# Altium PCB HBS V2.0.PcbDoc (part 2 of 3) (continued)
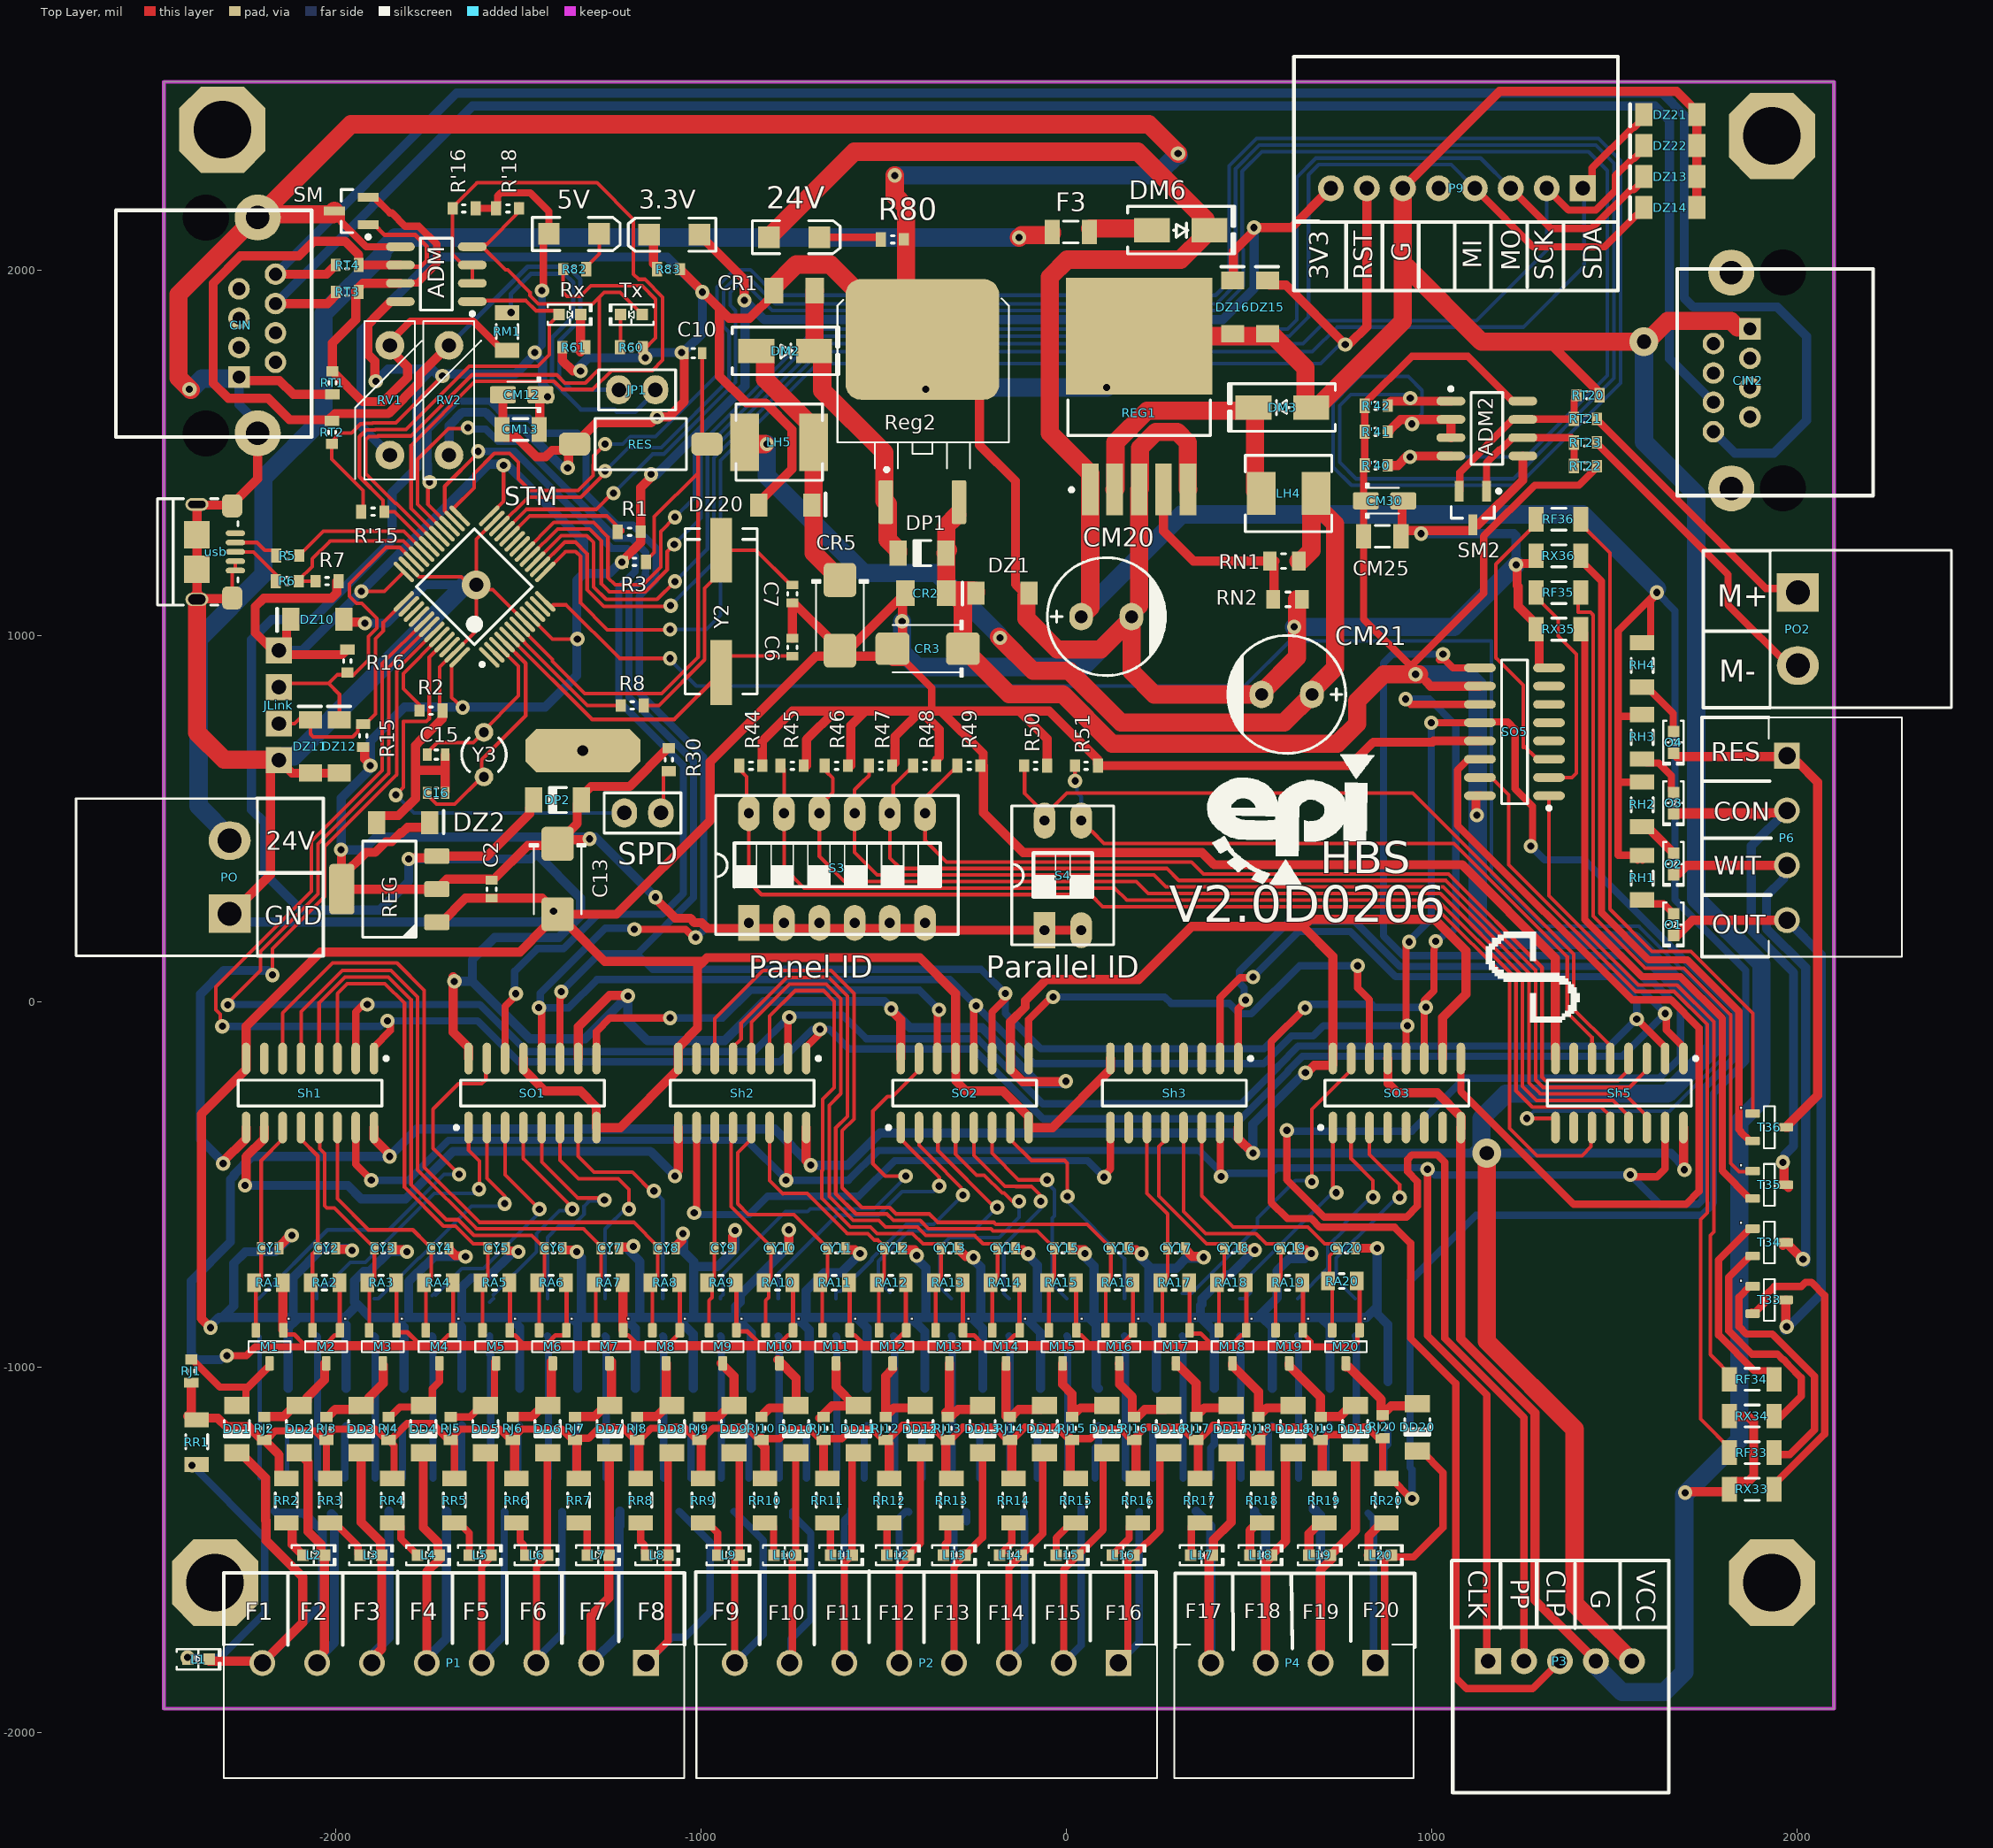
[diagram p0: Top Layer view]
## Nets (pads, with @x,y where several pads share a name; then routed paths per layer and width w, separated by ;. In a path a pad name is that pad's centre, name@x,y a point inside that pad or via, vN(x,y) a via of type N, cw(c..) or ccw(c..) an arc to the next point about the centre after c; other vN are vias at no path point) (continued)
  Top Layer w50: v1@-2396.83,1673.17 -2430,1706.34 -2430,1934.42 -2219.42,2145 CIN.9@-2213.27,2145 CIN.9@-2204.41,2153.86 ; usb.S@-2379.5,1100.16 -2379.5,735.98 -2305,661.48 JLink.1@-2156.31,661.48 ; CIN.1@-2268.98,1713.31 CIN.1@-2264.45,1708.78 ; JLink.1@-2155,660.17 JLink.1@-2153.69,661.48 ; SM.3@-2003.46,2162.72 -2003.46,2157.4 -2007.01,2153.86 CIN.9@-2204.41,2153.86 ; CR1.2@-801.1,1945 -801.1,1954.84 -739.7,2016.24 -646.49,2016.24 -441.62,1811.37 Reg2.4@-394.47,1811.37 -439.09,1855.99 -439.09,2174.09 -470,2205 v1(-470,2260) ; DZ1.1@-110,1110 -110,1047.87 -25,962.87 92.79,962.87 CM20.2@177.8,1047.88 ; CM20.2@177.8,1052.88 CM20.2@177.8,1047.88 ; CM20.2@198.55,1082.69 REG1.3@198.55,1401.06 200.91,1403.42 200.91,1514.97 244.61,1558.66 302.46,1558.66 331.75,1529.37 331.75,1401.72 REG1.5@332.41,1401.06 ; REG1.6@198.55,1820.35 566.61,1820.35 653.5,1733.46 653.5,1633.46 661.97,1625 DM3.1@669.05,1625 684.79,1625 920,1860.21 P9.6@920,2215 ; v1(305,2320) 225,2400 -1958.27,2400 CIN.9@-2204.41,2153.86 ; RN2.2@630.3,1100.16 630.3,941.71 533.58,845 CM21.2@533.58,840 240,840 177.8,902.2 CM20.2@177.8,1047.88 ; P9.6@920,2225 P9.6@920,2215 ; 930,2010 1135,1805 1318.21,1805 1566.72,1805 1570,1801.72 v2@1570,1800 ; P9.6@930,2225 P9.6@920,2215 ; v2@1585,1805 1587.78,1805 1645.02,1862.24 1818.09,1862.24 1835.81,1844.53 1865.47,1844.53 CIN2.1@1870,1840 CIN2.1@1865.47,1835.47
  Bottom Layer w25: v1@-2345,-889.85 -2319.38,-864.23 -2310,-864.23 ; PO.1@-2290,240 -2267.13,217.13 -1434.79,217.13 v1@-1401.92,250 ; CIN.1@-2264.45,1704.25 -2264.45,1632.96 -2213.27,1581.78 CIN.9@-2213.27,1554.45 ; RX1.2@-2129.77,-1058.9 -2129.77,-892.9 -2108.46,-871.59 ; v1@-2125,-645 -2125,-645.21 -2164.79,-685 -2247.4,-685 -2278.7,-716.3 -2278.7,-832.93 -2310,-864.23 ; RX2.2@-1971.4,-1058.9 -1971.4,-885.37 -1992.53,-864.23 ; v1@-1955,-675 -2036.32,-675 -2115.82,-754.5 -2115.82,-864.23 ; v1(-1920,1035) -1860.4,1035 -1755.4,1140 -1645,1140 v2(-1615,1140) ; RV1.1@-1861.66,1495 -1861.66,1505.16 -1930.11,1573.61 -1930.11,1833.96 -1727.32,2036.75 -1092.46,2036.75 v1(-996.4,1940.69) -996.4,1828.6 -1045,1780 v1@-1055,1780 ; RX3.2@-1813.03,-1058.9 -1813.03,-891.21 -1840,-864.23 ; v1(-1805,-685) -1853.84,-685 -1907.83,-738.99 -1923.18,-738.99 -1948.03,-763.84 -1948.03,-822.06 -1940.09,-830 ; RV2.1@-1689.71,1495.02 -1689.71,1575.04 -1652.49,1612.26 -1590.5,1612.26 -1543.4,1565.16 -1483.69,1565.16 -1378.54,1460 v1(-1365,1460) ; RX4.2@-1654.65,-1058.9 -1654.65,-891.12 -1681.55,-864.23 ; v1(-1644.44,-698.34) -1730.89,-698.34 -1775.27,-742.72 -1776.96,-742.72 -1800,-765.76 -1800,-864.23 ; v1(-1500.17,-685) -1514.12,-685 -1585.39,-756.27 -1629.11,-756.27 -1655,-782.16 -1655,-864.23 ; RX5.2@-1496.28,-1058.9 -1496.28,-891.56 -1523.62,-864.23 ; v1(-1340,-685) -1340,-688.89 -1327.65,-701.24 -1327.65,-864.23 ; RX6.2@-1337.91,-1058.9 -1337.91,-881.32 -1355,-864.23 ; v1@-1335,1735 -1309.11,1760.89 v1(-1152.32,1760.89) ; -1204.23,-675 -1167.87,-711.36 -1167.87,-864.23 ; RX7.2@-1179.54,-1058.9 -1179.54,-894.69 -1210,-864.23 ; v1@-1145,1765 -1134.39,1775.61 v1(-1053.17,1775.61) ; v1@-1132.87,1587.13 v1(-1120.5,1599.5) ; v1(-1050,-635) -1047.25,-637.75 -1047.25,-685.16 -1020,-712.41 -1020,-725 ; RX8.2@-1021.17,-1058.9 -1021.17,-910.34 -1067.28,-864.23 ; v1@-906.81,-631.81 -906.81,-676.53 -955.28,-725 -1020,-725 ; RX9.2@-862.8,-1058.9 -862.8,-906.43 -905,-864.23 ; v1(-760,-625) -760,-670 -892.94,-802.94 -892.94,-822.42 -905,-834.48 -905,-864.23 ; RX10.2@-704.43,-1058.9 -704.43,-898.68 -738.88,-864.23 ; v1(-565,-690) -617.14,-742.14 -663.11,-742.14 -712.5,-791.54 -712.5,-864.23 ; RX11.2@-546.06,-1058.9 -546.06,-893.17 -575,-864.23 ; v1@-414.47,-699.47 -385,-728.94 -385,-864.23 ; RX12.2@-387.69,-1058.9 -387.69,-903.36 -426.81,-864.23 ; v1(-255,-700) -255,-706.61 -234.69,-726.92 -234.69,-864.23 ; RX13.2@-229.32,-1058.9 -229.32,-894.91 -260,-864.23 ; v1@-108.07,-693.07 -79.69,-721.46 -79.69,-864.23 ; RX14.2@-70.95,-1058.9 -70.95,-906.29 -113,-864.23 ; v1(50,-690) 50,-698.9 75.31,-724.21 75.31,-864.23 ; 67.65,-871.89 81.22,-885.45 81.22,-1052.7 RX15.2@87.42,-1058.9 ; v1(205,-690) 205,-704.13 225,-724.13 225,-730 ; RX16.2@245.79,-1058.9 245.79,-885.02 225,-864.23 ; v1(375,-700) 372.25,-702.75 327.25,-702.75 300,-730 225,-730 ; RX17.2@404.16,-1058.9 404.16,-902.07 366.33,-864.23 ; v1(515,-680) 446.59,-748.41 435.95,-748.41 370.29,-814.07 370.29,-827.99 366.33,-831.95 366.33,-864.23 ; RX18.2@562.53,-1058.9 562.53,-891.77 535,-864.23 ; v1@665,-690 665,-691.11 663.36,-692.75 662.25,-692.75 650.87,-704.13 609.13,-704.13 576.55,-736.71 576.55,-810.78 523.1,-864.23 ; RX19.2@720.9,-1058.9 720.9,-890.14 695,-864.23 ; v1(850,-675) 850,-835 ; RX20.2@879.27,-1040 879.27,-883.51 850,-854.23 850,-835 ; v1(970,1280) 1224.28,1280 1230,1274.28 v1(1230,1195) ; -2310,-864.23 -2115.82,-864.23 ; -2115.82,-864.23 -1992.53,-864.23 ; -1992.53,-864.23 -1974.33,-864.23 -1940.09,-830 ; -1940.09,-830 -1905.86,-864.23 -1840,-864.23 ; -1840,-864.23 -1800,-864.23 ; -1800,-864.23 -1681.55,-864.23 ; -1681.55,-864.23 -1655,-864.23 ; -1655,-864.23 -1523.62,-864.23 ; -1523.62,-864.23 -1355,-864.23 ; -1355,-864.23 -1327.65,-864.23 ; -1327.65,-864.23 -1210,-864.23 ; -1210,-864.23 -1167.87,-864.23 ; -1167.87,-864.23 -1067.28,-864.23 ; -1067.28,-864.23 -1020,-864.23 ; -1020,-864.23 -905,-864.23 ; -1020,-864.23 -1020,-725 ; -905,-864.23 -738.88,-864.23 ; -738.88,-864.23 -712.5,-864.23 ; -712.5,-864.23 -575,-864.23 ; -575,-864.23 -426.81,-864.23 ; -426.81,-864.23 -385,-864.23 ; -385,-864.23 -260,-864.23 ; -260,-864.23 -234.69,-864.23 ; -234.69,-864.23 -113,-864.23 ; -113,-864.23 -79.69,-864.23 ; -79.69,-864.23 75.31,-864.23 ; 75.31,-864.23 225,-864.23 ; 225,-864.23 225,-730 ; 225,-864.23 366.33,-864.23 ; 366.33,-864.23 523.1,-864.23 ; 523.1,-864.23 535,-864.23 ; 535,-864.23 695,-864.23 ; 695,-864.23 820.77,-864.23 850,-835
  Bottom Layer w50: v1@-2395,1675 -2365.75,1704.25 CIN.1@-2264.45,1704.25 ; JLink.1@-2155,660.17 -2144.57,670.61 -2114.39,670.61 -1910,875 v2@-1645,1140 ; v1(-470,2260) 245,2260 v1@303.75,2318.75 ; v1(-450,1040) -450,956.46 -408.54,915 44.92,915 177.8,1047.88 CM20.2@177.8,1052.88 ; v1@-380,1675 -375,1680 v1(110,1680) ; 280,2295 v1@303.75,2318.75 ; v1(305,2320) v1@303.75,2318.75 ; v1@307.5,2315 v1@303.75,2318.75 ; v1(622.58,1024.76) 1059.76,1024.76 v1(1230,1195) ; P3.4@1450,-1820 1520,-1890 1635,-1890 1690,-1835 1690,-1350 1840.75,-1199.25 1840.75,-329.25 1901.5,-268.5 1901.5,102.38 1722.95,280.92 1722.95,1388.16 1580,1531.11 v2(1580,1805)
  other v1: 1692.68,-1344.11 -410,-695 -105,-690 670,-690 -1185,-670 -906.66,-626.44 -1403.58,246.66 -2400,1675 -385,1675
LoadPin: Sh1.1 Sh2.1 Sh3.1 Sh5.1 STM.41 | length 7539.6
  Top Layer w10: v1@-2315.62,-64.38 -2315.62,-35.13 -2327.49,-23.26 -2327.49,40 -2065.96,301.53 -2065.96,438 -1872.44,631.51 -1872.44,924.32 STM.41@-1757.8,1038.96
  Top Layer w20: Sh1.1@-1895,-156.02 -1895,-124.53 -1850.43,-79.95 v1@-1850.43,-60 ; Sh2.1@-712.5,-156.02 -712.5,-124.53 v1@-664.25,-76.28 ; Sh3.1@470,-156.02 470,-19.6 v1@491.57,1.97 ; v1(1637.74,-33.08) 1641.45,-36.79 1641.45,-78.23 1687.74,-124.53 Sh5.1@1687.74,-156.02
  Bottom Layer w20: v1(-2310,-68.08) -1878.08,-68.08 -1863.34,-53.34 v1(-1858.1,-53.34) -1611.66,-53.34 -1500,-165 -783.58,-165 -694.86,-76.28 v1(-675,-76.28) -648.98,-76.28 -595.26,-130 -254.68,-130 -63.32,-321.35 475.77,-321.35 606.5,-190.62 606.5,-188.96 645.46,-150 1520.82,-150 v1(1637.74,-33.08) 1508.92,95.75 911.85,95.75 788.59,219 609.56,219 472.78,82.22 472.78,51.1 486.29,37.59 486.29,7.25 v1(490,3.54)
MISO: DZ14.2 P9.4 STM.16 | length 4243.9
  Top Layer w10: STM.16@-1468.28,1217.12 -1392.67,1292.73 -1305.61,1292.73 -1272.87,1260 -1272.87,1142.87 -1251.08,1121.08 -1152.74,1121.08 -1092.68,1181.14 -1092.68,1230.78 v1(-1073.46,1250)
  Top Layer w20: P9.4@1105,2220 P9.4@1116.85,2220 ; P9.4@1130,2240 1130,2211.85 1276.85,2065 1472.22,2065 1557.71,2150.49 1565.59,2150.49 1579.21,2164.12 DZ14.2@1579.21,2171.99
  Bottom Layer w10: v1(-1073.46,1250) -1000.59,1322.87 -1000.59,1502.03 -682.62,1820 609.62,1820 661.97,1872.35 661.97,2261.48 690,2289.51 1052.34,2289.51 1111.85,2230 P9.4@1135,2230
MOSI: DZ13.2 P9.3 STM.17 | length 4228.8
  Top Layer w10: STM.17@-1482.2,1231.04 -1402.64,1310.61 -1294.35,1310.61 -1255,1271.26 -1255,1160 -1235,1140 -1159.1,1140 -1110.56,1188.54 -1110.56,1285.9 v1(-1071.45,1325) ; P9.3@1215,2220 P9.3@1220,2220
  Top Layer w20: P9.3@1220,2220 1220.28,2220 1325.28,2115 1437.69,2115 1544.05,2221.36 1551.77,2221.36 1579.21,2248.8 DZ13.2@1579.21,2256.67
  Bottom Layer w10: v1(-1071.45,1325) -1018.47,1377.99 -1018.47,1509.43 -687.9,1840 604.34,1840 629.82,1865.48 629.82,2254.82 682.38,2307.38 1132.89,2307.38 P9.3@1215.28,2225 1220.28,2220 P9.3@1225,2220
Net3.3V_2: 3.3V.2 R83.2 | length 103.6
  Top Layer w25: 3.3V.2@-1142.36,2098 -1130.43,2086.07 -1130.43,2019.33 -1120.44,2009.35 R83.2@-1120.44,2003.44
Net5V_2: 5V.2 R82.2 | length 111.4
  Top Layer w10: R82.2@-1314.46,2003.44 -1314.46,2009.35 -1278.72,2045.09 5V.2@-1278.72,2100
Net24V_2: 24V.2 R80.2 | length 167.2
  Top Layer w20: 24V.2@-676.69,2091.13 -676.12,2090.56 -510.56,2090.56 R80.2@-510,2090
NetC7_1: C7.1 R8.2 Y2.1 | length 771.4
  Top Layer w10: R8.2@-1156.95,810 -1115,810 -990,935 -990,1130.59 -945,1175.59 Y2.1@-945,1234.65 -850.07,1234.65 -754.92,1139.5 C7.1@-750,1139.5
NetC15_2: C15.2 STM.3 Y3.1 | length 475.3
  Top Layer w10: C15.2@-1745,675 -1745,684.87 -1721.98,707.89 -1623.02,707.89 -1600.8,730.1 -1600.8,735.15 -1500,835.95 -1500,917.07 -1551.79,968.87 STM.3@-1551.79,969.36
NetC16_2: C16.2 STM.4 Y3.2 | length 638.1
  Top Layer w10: C16.2@-1750,570 -1750,566.61 -1723.39,540 -1673.9,540 -1600.8,613.1 -1600.8,661.48 -1480,782.28 -1480,925.4 STM.4@-1537.88,983.28
NetCM21_1: CM21.1 LH4.2 LH5.1 RN1.1 | length 2721.1
  Top Layer w50: LH5.1@-880.76,1530 -875.76,1525 v1@-825,1525 ; v1@-185,998.25 v1(-181.75,995) -91.75,905 6.85,905 148.97,762.87 595.19,762.87 671.38,839.06 CM21.1@671.38,840 671.38,849.06 735,912.68 735,1306.85 669.8,1372.05 669.8,1234.13 640.67,1205 RN1.1@634.96,1205
  Bottom Layer w50: v1(-820,1525) -820,1437.32 -554.64,1171.95 -355.05,1171.95 -185,1001.91 v1@-185,998.25
NetCR1_1: CR1.1 DM2.2 DP1.2 Reg2.1 | length 829.2
  Top Layer w50: DM2.2@-693.6,1777.66 DM2.2@-691.26,1780 ; CR1.1@-688.9,1945 -689.49,1944.41 -689.49,1781.77 DM2.2@-691.26,1780 ; DM2.2@-687.53,1777.66 -686.94,1777.07 DM2.2@-686.94,1775.32 ; DP1.2@-460.62,1226.65 -460.62,1234.72 -489.47,1263.57 -489.47,1361.37 Reg2.1@-494.47,1366.37 -498.17,1370.07 -498.17,1501.37 -668.34,1671.54 -668.34,1771.54 -676.81,1780 DM2.2@-691.26,1780
NetDD1_1: DD1.1 M1.3 RJ1.1 | length 428.1
  Top Layer w20: RJ1.1@-2395,-980 -2392.05,-980 -2317.05,-1055 -2240,-1055 M1.3@-2185,-1000 ; DD1.1@-2274.37,-1109.41 DD1.1@-2270,-1105.04 ; DD1.1@-2270,-1105.04 -2259.13,-1105 -2245.55,-1091.42 -2245.55,-1062.83 -2180.79,-998.07 M1.3@-2180.79,-990.2
NetDD2_1: DD2.1 M2.3 RJ2.1 | length 241.9
  Top Layer w25: RJ2.1@-2195,-1137.01 -2193.72,-1135.73 -2141.52,-1135.73 DD2.1@-2115,-1109.21 ; DD2.1@-2100,-1105.04 -2089.17,-1105.04 -2078.05,-1093.92 -2078.05,-1083.09 -2030,-1035.04 M2.3@-2030,-990
NetDD3_1: DD3.1 M3.3 RJ3.1 | length 243.6
  Top Layer w25: RJ3.1@-2020,-1135 -2001.16,-1116.16 -1941.12,-1116.16 DD3.1@-1930,-1105.04 -1919.17,-1105.04 -1908.05,-1093.92 -1908.05,-1083.09 -1870,-1045.04 M3.3@-1870,-995
NetDD4_1: DD4.1 M4.3 RJ4.1 | length 266.1
  Top Layer w20: RJ4.1@-1855,-1139.96 -1824.45,-1109.41 -1764.37,-1109.41 DD4.1@-1760,-1105.04 ; DD4.1@-1775,-1110 -1754.13,-1110 -1735.55,-1091.42 -1735.55,-1059.64 -1715.79,-1039.88 M4.3@-1715.79,-990.2
NetDD5_1: DD5.1 M5.3 RJ5.1 | length 232.4
  Top Layer w20: RJ5.1@-1685,-1137.01 -1632.8,-1137.01 -1605,-1109.21 DD5.1@-1605,-1105.04 ; DD5.1@-1590,-1105.04 -1579.17,-1105.04 -1565.55,-1091.42 -1565.55,-985.55 M5.3@-1565,-985
NetDD6_1: DD6.1 M6.3 RJ6.1 | length 232.4
  Top Layer w25: RJ6.1@-1515,-1137.01 -1513.72,-1135.73 -1461.52,-1135.73 -1430.79,-1105 DD6.1@-1420,-1105.04 ; DD6.1@-1420,-1105.04 -1410,-1095.04 M6.3@-1410,-985
NetDD7_1: DD7.1 M7.3 RJ7.1 | length 220.4
  Top Layer w25: RJ7.1@-1345,-1137.01 -1343.72,-1135.73 -1291.52,-1135.73 -1260.79,-1105 DD7.1@-1260,-1105 ; DD7.1@-1250,-1105.04 -1245,-1100.04 M7.3@-1245,-985
NetDD8_1: DD8.1 M8.3 RJ8.1 | length 224.7
  Top Layer w25: RJ8.1@-1175,-1137.01 -1173.72,-1135.73 -1121.52,-1135.73 -1095.79,-1110 DD8.1@-1085,-1110 ; M8.3@-1095,-990 -1095,-1093.92 -1083.88,-1105.04 DD8.1@-1080,-1105.04
NetDD9_1: DD9.1 M9.3 RJ9.1 | length 227.8
  Top Layer w25: RJ9.1@-1005,-1137.01 -1003.72,-1135.73 -951.52,-1135.73 -920.79,-1105 DD9.1@-920,-1105 ; M9.3@-945,-990 -910,-1025 DD9.1@-910,-1105.04
NetDD10_1: DD10.1 M10.3 RJ10.1 | length 246.1
  Top Layer w25: RJ10.1@-830,-1130 -811.95,-1111.95 -746.91,-1111.95 DD10.1@-740,-1105.04 -740,-1030 M10.3@-790,-980
NetDD11_1: DD11.1 M11.3 RJ11.1 | length 267.9
  Top Layer w25: RJ11.1@-675,-1140 -641.95,-1106.95 DD11.1@-578.92,-1106.95 ; M11.3@-630.79,-990.2 -630.79,-1055.07 DD11.1@-578.92,-1106.95 ; DD11.1@-570,-1110 -575.87,-1110 DD11.1@-578.92,-1106.95 ; DD11.1@-570,-1105.04 -571.91,-1106.95 DD11.1@-578.92,-1106.95
NetDD12_1: DD12.1 M12.3 RJ12.1 | length 245.7
  Top Layer w25: M12.3@-475,-1005 -495,-1025 -495,-1135 -471.95,-1111.95 -406.91,-1111.95 DD12.1@-400,-1105.04
NetDD13_1: DD13.1 M13.3 RJ13.1 | length 239.6
  Top Layer w25: RJ13.1@-330,-1125 -320.79,-1115.79 M13.3@-320.79,-990.2 ; RJ13.1@-317.5,-1137.5 -296.16,-1116.16 -241.12,-1116.16 DD13.1@-230,-1105.04
NetDD14_1: DD14.1 M14.3 RJ14.1 | length 254.6
  Top Layer w25: M14.3@-165.79,-990.2 -165.79,-1134.21 RJ14.1@-165,-1135 ; RJ14.1@-155,-1140 -131.16,-1116.16 -71.12,-1116.16 DD14.1@-60,-1105.04
NetDD15_1: DD15.1 M15.3 RJ15.1 | length 252.9
  Top Layer w25: M15.3@-10.79,-990.2 -10.79,-1047.95 15,-1073.74 RJ15.1@15,-1125 ; RJ15.1@15,-1135 38.05,-1111.95 103.09,-1111.95 DD15.1@110,-1105.04
NetDD16_1: DD16.1 M16.3 RJ16.1 | length 259.1
  Top Layer w25: M16.3@144.21,-990.2 144.9,-990.89 144.9,-1047.38 180,-1082.49 RJ16.1@180,-1130 ; RJ16.1@190,-1140 213.84,-1116.16 268.88,-1116.16 DD16.1@280,-1105.04
NetDD17_1: DD17.1 M17.3 RJ17.1 | length 275.2
  Top Layer w25: M17.3@300,-990 355,-1045 355,-1135 378.05,-1111.95 443.09,-1111.95 DD17.1@450,-1105.04
NetDD18_1: DD18.1 M18.3 RJ18.1 | length 271.5
  Top Layer w25: M18.3@454.21,-990.2 454.21,-996.69 525,-1067.49 RJ18.1@525,-1125 ; RJ18.1@525,-1135 548.05,-1111.95 613.09,-1111.95 DD18.1@620,-1105.04
NetDD19_1: DD19.1 M19.3 RJ19.1 | length 271.1
  Top Layer w25: M19.3@609.21,-990.2 609.21,-996.69 695,-1082.49 RJ19.1@695,-1130 ; RJ19.1@695,-1137.01 696.28,-1135.73 748.48,-1135.73 775,-1109.21 DD19.1@775,-1105
NetDD20_1: DD20.1 M20.3 RJ20.1 | length 296.6
  Top Layer w25: M20.3@765,-1000 771.84,-1000 860.77,-1088.92 RJ20.1@860.77,-1134.23 ; RJ20.1@860,-1135 RJ20.1@860.77,-1134.23 ; RJ20.1@865,-1137.01 862.05,-1137.01 860.77,-1135.73 RJ20.1@860.77,-1134.23 ; DD20.1@960,-1105.04 958.09,-1106.95 888.05,-1106.95 RJ20.1@860.77,-1134.23
NetDM3_2: DM3.2 LH4.1 REG1.2 | length 783.6
  Top Layer w50: REG1.2@131.62,1401.06 133.98,1403.42 133.98,1529.88 220.63,1616.54 503.1,1616.54 DM3.2@511.57,1625 515.88,1620.68 515.88,1396.05 LH4.1@520.2,1391.73
NetDM6_1: DM6.1 F3.2 | length 146.1
  Top Layer w50: F3.2@65,2115 DM6.1@211.13,2115
NetF3_1: F3.1 PO.2 | length 3714.5
  Top Layer w50: v1(-130,2090) -123.02,2096.98 -43.8,2096.98 -39.47,2101.31 F3.1@-39.47,2105.44
  Bottom Layer w50: PO.2@-2290,440 -2290,449.88 -2375,534.88 -2375,991.01 -2197.42,1168.59 -2197.42,1432.58 -2033.36,1596.64 -2033.36,1882.07 -1872.1,2043.33 -1872.1,2055 -1837.1,2090 v1(-130,2090)
NetJP1_1: JP1.1 RM1.2 | length 892.1
  Bottom Layer w12: v1(-1520,1885) -1520,1936.62 -1466.12,1990.5 -1373.3,1990.5 -1349.87,1967.08 -1349.87,1873.99 -1407.91,1815.95 -1407.91,1698.73 -1328.79,1619.6 -1237.12,1619.6 -1231.01,1613.5 -1179.98,1613.5 -1125,1668.48 JP1.1@-1125,1673.48
NetL1_1: L1.1 RR1.2 | length 745.8
  Bottom Layer w20: v1(-2405,-1795) -2315.79,-1795 -2194.02,-1673.23 -2194.02,-1467.66 -2390,-1271.68 v1@-2390,-1270
  other v1: -2392.67,-1269.01
NetL2_1: L2.1 RR2.2 | length 105
  Top Layer w25: RR2.2@-2130,-1430 -2124.53,-1430 -2119.31,-1435.22 -2119.31,-1485.22 L2.1@-2089.53,-1515
NetL3_1: L3.1 RR3.2 | length 128.6
  Top Layer w20: RR3.2@-2015,-1427.05 -2002.2,-1427.05 -1938.61,-1490.64 -1938.61,-1511.39 L3.1@-1935,-1515
NetL4_1: L4.1 RR4.2 | length 134.8
  Top Layer w20: RR4.2@-1855,-1425 -1834.25,-1425 -1821.54,-1437.72 -1821.54,-1469.66 L4.1@-1776.19,-1515
NetL5_1: L5.1 RR5.2 | length 118.1
  Top Layer w20: RR5.2@-1680,-1425 -1664.25,-1425 -1634.53,-1454.72 L5.1@-1634.53,-1515
NetL6_1: L6.1 RR6.2 | length 96.4
  Top Layer w20: RR6.2@-1495,-1425 -1495,-1477.72 -1485.28,-1487.44 -1485.28,-1509.25 L6.1@-1479.53,-1515
NetL7_1: L7.1 RR7.2 | length 106.6
  Top Layer w20: RR7.2@-1335,-1427.05 -1322.2,-1427.05 -1311.54,-1437.72 -1311.54,-1511.54 L7.1@-1315,-1515
NetL8_1: L8.1 RR8.2 | length 101.4
  Top Layer w20: RR8.2@-1165,-1420 RR8.2@-1165,-1427.05 -1165,-1477.72 -1155.28,-1487.44 -1155.28,-1509.25 L8.1@-1149.53,-1515
NetL9_1: L9.1 RR9.2 | length 118.1
  Top Layer w20: RR9.2@-1000,-1425 -984.25,-1425 -954.53,-1454.72 L9.1@-954.53,-1515
NetL10_1: L10.1 RR10.2 | length 101.6
  Top Layer w20: RR10.2@-820,-1425 -814.25,-1425 -801.54,-1437.72 -801.54,-1513.64 L10.1@-800.17,-1515
NetL11_1: L11.1 RR11.2 | length 98.8
  Top Layer w20: RR11.2@-655,-1420 -645.82,-1429.18 L11.1@-645.82,-1515
NetL12_1: L12.1 RR12.2 | length 91.5
  Top Layer w20: RR12.2@-495,-1425 -491.47,-1428.53 L12.1@-491.47,-1515
NetL13_1: L13.1 RR13.2 | length 90
  Top Layer w20: L13.1@-337.12,-1515 -331.37,-1509.25 -331.37,-1484.08 -325,-1477.72 RR13.2@-325,-1430
NetL14_1: L14.1 RR14.2 | length 98.6
  Top Layer w20: L14.1@-182.76,-1515 -150,-1482.24 RR14.2@-150,-1430
NetL15_1: L15.1 RR15.2 | length 105.9
  Top Layer w20: L15.1@-28.41,-1515 -28.41,-1467.66 10,-1429.25 RR15.2@10,-1425
NetL16_1: L16.1 RR16.2 | length 107.8
  Top Layer w20: L16.1@125.94,-1515 171.54,-1469.41 171.54,-1437.72 179.25,-1430 RR16.2@180,-1430
NetL17_1: L17.1 RR17.2 | length 102.5
  Top Layer w20: L17.1@340,-1515 341.54,-1513.46 341.54,-1437.72 344.25,-1435 RR17.2@365,-1435
NetL18_1: L18.1 RR18.2 | length 96
  Top Layer w25: L18.1@501.67,-1515 501.67,-1447.59 514.25,-1435 RR18.2@525,-1435
NetL19_1: L19.1 RR19.2 | length 101
  Top Layer w25: L19.1@663.33,-1515 663.33,-1455.92 690,-1429.25 RR19.2@690,-1425
NetL20_1: L20.1 RR20.2 | length 97.9
  Top Layer w25: L20.1@825,-1515 827.5,-1512.5 827.5,-1461.75 854.25,-1435 RR20.2@860,-1435
NetO1_1: O1.1 RH1.1 | length 139.7
  Top Layer w20: RH1.1@1560,282.95 RH1.1@1593.99,282.95 ; RH1.1@1575,277.95 1585.67,267.28 1633.38,267.28 O1.1@1660.74,239.92 O1.1@1665,240
NetO2_1: O2.1 RH2.1 | length 102.3
  Top Layer w25: RH2.1@1585,470 1585.22,469.78 1596.88,469.78 O2.1@1660.74,405.92
NetO3_1: O3.1 RH3.1 | length 147.7
  Top Layer w20: RH3.1@1575,665 1587.72,652.28 1620.38,652.28 1654.99,617.67 1654.99,577.67 O3.1@1660.74,571.92
NetO4_1: O4.1 RH4.1 | length 158
  Top Layer w20: RH4.1@1580,855 1592.8,855 1660,787.8 1660,738.66 O4.1@1660.74,737.92
NetP3_2: P3.2 SO5.9 | length 5479.8
  Top Layer w20: v1(602.68,-352.68) 602.68,-487.68 705,-590 930,-590 959.8,-560.2 959.8,-492.39 933.28,-465.88 933.28,-431.72 945,-420 1015,-420 1035,-440 1035,-922.12 1251.57,-1138.7 P3.2@1251.57,-1805 ; v1@1020,935 1035,935 1057.22,912.78 SO5.9@1131.02,912.78
  Bottom Layer w20: v1@605,-355 945,-355 1090.37,-209.63 1622.14,-209.63 1680,-151.77 1680,-22.22 1603.92,53.86 1590.22,53.86 1518.84,125.24 921.77,125.24 867.32,179.69 867.32,925.61 891.72,950 v1(1030,950)
NetR1_2: R1.2 STM.20 | length 353.9
  Top Layer w10: STM.20@-1523.96,1272.8 -1468.28,1328.48 -1257.47,1328.48 -1225.72,1296.73 -1220.8,1296.73 -1213.99,1289.92 -1213.99,1285
NetR2_1: R2.1 STM.44 | length 253.2
  Top Layer w10: R2.1@-1765,805.67 -1815,855.67 -1815,896.96 -1716.04,995.92 STM.44@-1716.04,997.2
NetR5_2: R5.2 usb.2 | length 123.6
  Top Layer w10: usb.2@-2274.18,1255.67 -2215,1255.67 -2194.02,1234.69 -2171.77,1234.69 -2165,1227.91 R5.2@-2165,1225
NetR6_2: R6.2 usb.3 | length 160.2
  Top Layer w10: usb.3@-2274.18,1230.08 -2225.16,1230.08 -2150,1154.92 -2150,1150
NetR30_2: R30.2 SPD.1 | length 126.6
  Top Layer w10: SPD.1@-1110,515.85 -1102.88,522.97 -1102.88,621.22 -1094.1,630 R30.2@-1088.19,630
NetR60_2: R60.2 Tx.2 | length 105.2
  Top Layer w10: Tx.2@-1220.03,1879.17 -1220.03,1786.67 R60.2@-1211.06,1777.7
NetR61_2: R61.2 Rx.2 | length 101.7
  Top Layer w25: -1330.08,1777.7 -1329.54,1778.23 Rx.2@-1329.54,1879.17
NetREG1_4: REG1.4 RN1.2 RN2.1 | length 559.1
  Top Layer w25: REG1.4@265.48,1401.06 265.48,1287.32 347.8,1205 570,1205 567.67,1202.67 567.67,1102.49 RN2.1@565.34,1100.16
NetRF1_1: RF1.1 T1.1 | length 390.5
  Bottom Layer w12: RF1.1@-2210,-915 -2207.4,-917.6 T1.1@-2207.4,-1304.45
NetRF2_1: RF2.1 T2.1 | length 390.5
  Bottom Layer w20: RF2.1@-2052.1,-915 -2049.5,-917.6 T2.1@-2049.5,-1304.45
NetRF3_1: RF3.1 T3.1 | length 390.5
  Bottom Layer w20: RF3.1@-1894.19,-915 -1891.6,-917.6 T3.1@-1891.6,-1304.45
NetRF4_1: RF4.1 T4.1 | length 390.5
  Bottom Layer w20: RF4.1@-1736.29,-915 -1733.69,-917.6 T4.1@-1733.69,-1304.45
NetRF5_1: RF5.1 T5.1 | length 390.5
  Bottom Layer w20: RF5.1@-1578.39,-915 -1578.39,-965.67 -1575.79,-968.27 T5.1@-1575.79,-1304.45
NetRF6_1: RF6.1 T6.1 | length 390.5
  Bottom Layer w20: RF6.1@-1420.48,-915 -1417.89,-917.6 T6.1@-1417.89,-1304.45
NetRF7_1: RF7.1 T7.1 | length 390.5
  Bottom Layer w20: RF7.1@-1262.58,-915 -1259.98,-917.6 T7.1@-1259.98,-1304.45
NetRF8_1: RF8.1 T8.1 | length 390.5
  Bottom Layer w20: RF8.1@-1104.68,-915 -1102.08,-917.6 T8.1@-1102.08,-1304.45
NetRF9_1: RF9.1 T9.1 | length 390.5
  Bottom Layer w20: RF9.1@-946.77,-915 -944.18,-917.6 T9.1@-944.18,-1304.45
NetRF10_1: RF10.1 T10.1 | length 390.5
  Bottom Layer w20: RF10.1@-788.87,-915 -786.27,-917.6 T10.1@-786.27,-1304.45
NetRF11_1: RF11.1 T11.1 | length 390.5
  Bottom Layer w20: RF11.1@-630.97,-915 -628.37,-917.6 T11.1@-628.37,-1304.45
NetRF12_1: RF12.1 T12.1 | length 390.5
  Bottom Layer w20: RF12.1@-473.06,-915 -470.47,-917.6 T12.1@-470.47,-1304.45
NetRF13_1: RF13.1 T13.1 | length 390.5
  Bottom Layer w20: RF13.1@-315.16,-915 -312.56,-917.6 T13.1@-312.56,-1304.45
NetRF14_1: RF14.1 T14.1 | length 390.5
  Bottom Layer w20: RF14.1@-157.26,-915 -154.66,-917.6 T14.1@-154.66,-1304.45
NetRF15_1: RF15.1 T15.1 | length 390.5
  Bottom Layer w20: RF15.1@0.64,-915 3.24,-917.6 T15.1@3.24,-1304.45
NetRF16_1: RF16.1 T16.1 | length 390.5
  Bottom Layer w20: RF16.1@158.55,-915 161.15,-917.6 T16.1@161.15,-1304.45
NetRF17_1: RF17.1 T17.1 | length 390.5
  Bottom Layer w20: RF17.1@316.45,-915 319.05,-917.6 T17.1@319.05,-1304.45
NetRF18_1: RF18.1 T18.1 | length 390.5
  Bottom Layer w20: RF18.1@474.35,-915 474.35,-965.67 476.95,-968.27 T18.1@476.95,-1304.45
NetRF19_1: RF19.1 T19.1 | length 390.5
  Bottom Layer w20: RF19.1@632.26,-915 634.86,-917.6 T19.1@634.86,-1304.45
NetRF20_1: RF20.1 T20.1 | length 390.5
  Bottom Layer w20: RF20.1@790.16,-915 792.76,-917.6 T20.1@792.76,-1304.45
NetRF33_1: RF33.1 T33.1 | length 664.8
  Top Layer w20: T33.1@1877.41,-779.26 1869.54,-779.26 1839.85,-808.95 1839.85,-889.85 1860,-910 1931.15,-910 2046.37,-1025.22 2046.37,-1172.21 1978.58,-1240 RF33.1@1950,-1240
NetRF34_1: RF34.1 T34.1 | length 553.9
  Top Layer w20: T34.1@1877.41,-621.76 1869.54,-621.76 1784.1,-707.19 1784.1,-912.94 1881.48,-1010.31 1925.43,-1010.31 1945,-1029.88 RF34.1@1945,-1040
NetRF35_1: RF35.1 T35.1 | length 1889.6
  Top Layer w10: RF35.1@1407.22,1118.8 1407.22,1106.01 1400,1098.79 1400,1064.84 1433.22,1064.84 1440.76,1057.3 1440.76,233.43 1583.22,90.98 1689.13,90.98 1816.98,-36.87 1816.98,-442.98 1839.86,-465.86 1875.81,-465.86 T35.1@1877.41,-464.26
NetRF36_1: RF36.1 T36.1 | length 1883
  Top Layer w10: RF36.1@1407.22,1319.41 1407.22,1306.62 1486.51,1227.33 1486.51,252.38 1602.17,136.72 1708.08,136.72 1877.41,-32.61 T36.1@1877.41,-306.76
NetRX1_1: RX1.1 T1.2 | length 144.5
  Bottom Layer w12: T1.2@-2132.6,-1304.45 -2132.6,-1163.93 RX1.1@-2129.77,-1161.1
NetRX2_1: RX2.1 T2.2 | length 144.7
  Bottom Layer w20: T2.2@-1974.7,-1304.45 -1974.7,-1164.4 RX2.1@-1971.4,-1161.1
NetRX3_1: RX3.1 T3.2 | length 144.9
  Bottom Layer w20: T3.2@-1816.79,-1304.45 -1816.79,-1164.87 RX3.1@-1813.03,-1161.1
NetRX4_1: RX4.1 T4.2 | length 144.1
  Bottom Layer w25: T4.2@-1658.2,-1303.76 -1658.2,-1164.65 RX4.1@-1654.65,-1161.1
NetRX5_1: RX5.1 T5.2 | length 145.3
  Bottom Layer w20: T5.2@-1500.99,-1304.45 -1500.99,-1165.8 RX5.1@-1496.28,-1161.1
NetRX6_1: RX6.1 T6.2 | length 145.5
  Bottom Layer w20: T6.2@-1343.08,-1304.45 -1343.08,-1166.27 RX6.1@-1337.91,-1161.1
NetRX7_1: RX7.1 T7.2 | length 145.7
  Bottom Layer w20: T7.2@-1185.18,-1304.45 -1185.18,-1166.74 RX7.1@-1179.54,-1161.1
NetRX8_1: RX8.1 T8.2 | length 145.9
  Bottom Layer w20: T8.2@-1027.28,-1304.45 -1027.28,-1167.21 RX8.1@-1021.17,-1161.1
NetRX9_1: RX9.1 T9.2 | length 150.6
  Bottom Layer w20: T9.2@-869.37,-1304.45 -869.37,-1197.08 -857.3,-1185 -857.3,-1166.61 RX9.1@-862.8,-1161.1
NetRX10_1: RX10.1 T10.2 | length 146.3
  Bottom Layer w20: T10.2@-711.47,-1304.45 -711.47,-1168.14 RX10.1@-704.43,-1161.1
NetRX11_1: RX11.1 T11.2 | length 146.5
  Bottom Layer w20: T11.2@-553.57,-1304.45 -553.57,-1168.61 RX11.1@-546.06,-1161.1
NetRX12_1: RX12.1 T12.2 | length 146.6
  Bottom Layer w20: T12.2@-395.66,-1304.45 -395.66,-1169.08 RX12.1@-387.69,-1161.1
NetRX13_1: RX13.1 T13.2 | length 146.8
  Bottom Layer w20: T13.2@-237.76,-1304.45 -237.76,-1169.54 RX13.1@-229.32,-1161.1
NetRX14_1: RX14.1 T14.2 | length 147
  Bottom Layer w20: T14.2@-79.86,-1304.45 -79.86,-1170.01 RX14.1@-70.95,-1161.1
NetRX15_1: RX15.1 T15.2 | length 147.2
  Bottom Layer w20: T15.2@78.05,-1304.45 78.05,-1221.15 87.42,-1211.77 RX15.1@87.42,-1161.1
NetRX16_1: RX16.1 T16.2 | length 147.4
  Bottom Layer w20: T16.2@235.95,-1304.45 235.95,-1170.94 RX16.1@245.79,-1161.1